# Altium PCB CHAHARDOLI-7 ADAD METAL.PcbDoc (part 1 of 11) (continued)
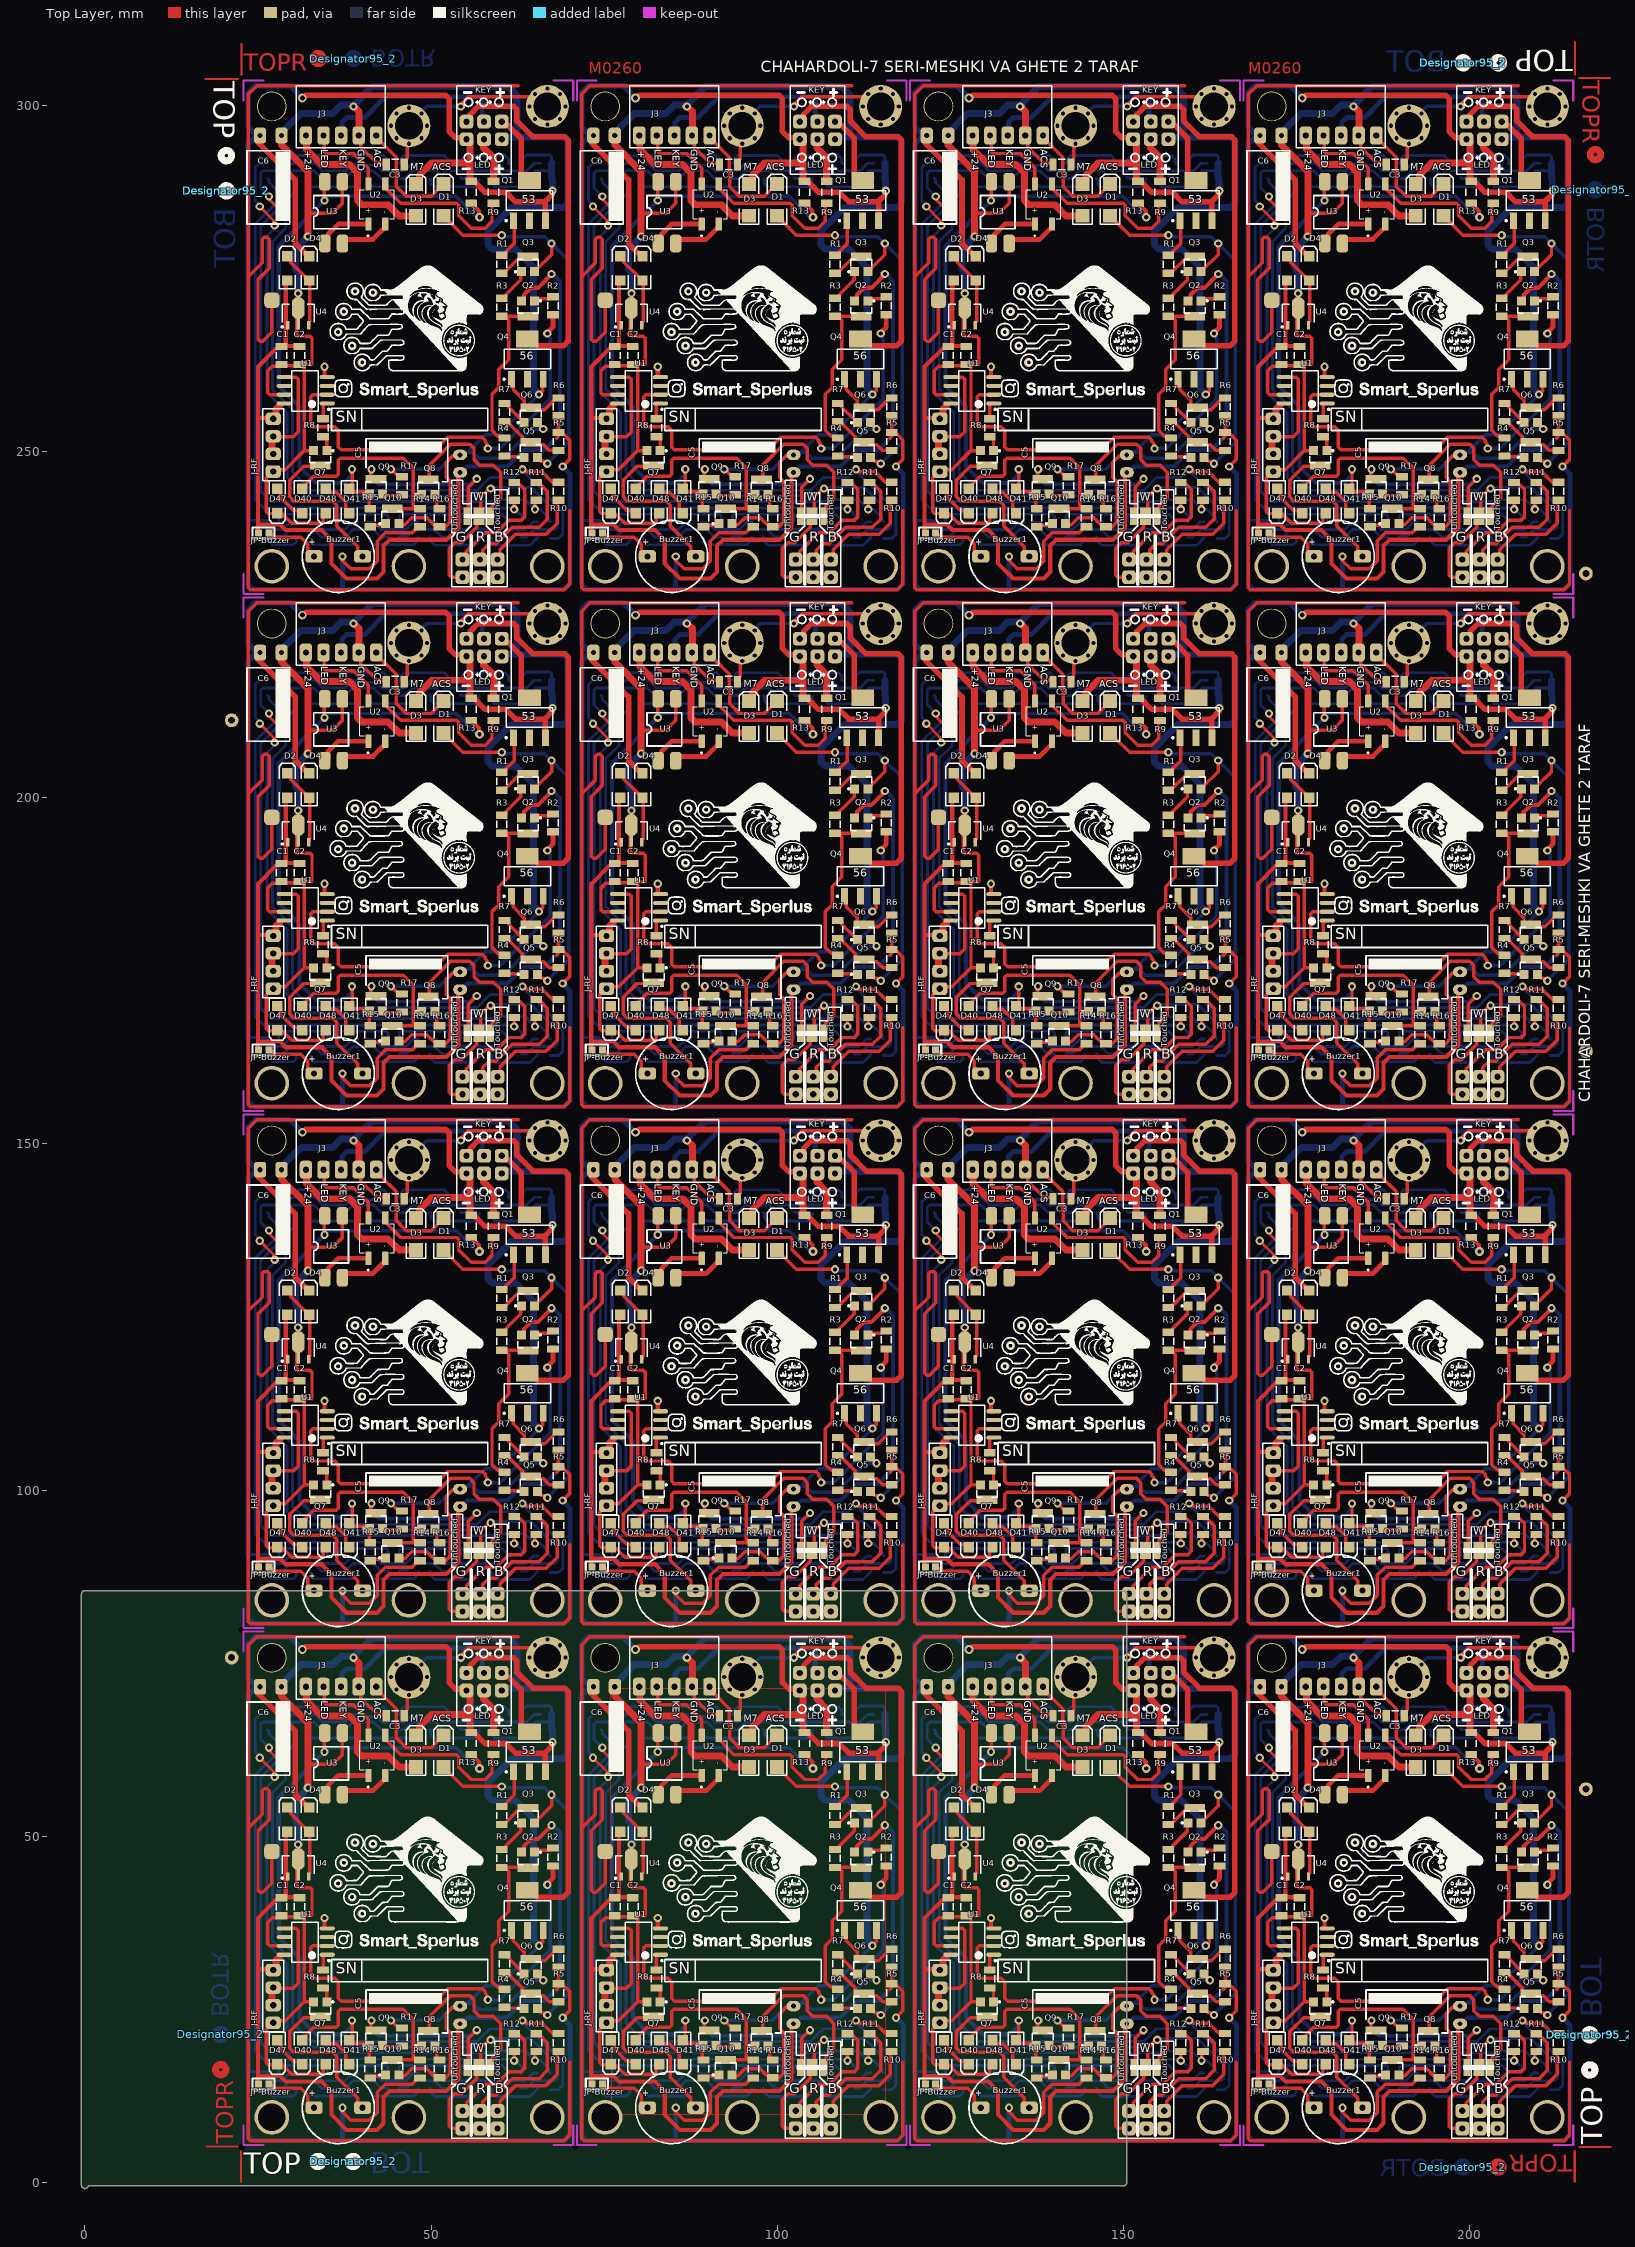
[diagram p0: Top Layer view]
## Components (designator, comment, footprint, x,y, rotation, side; value= is the part's Value field where it differs from the comment) (continued)
B "LED2" "RES 0805 (2012X06L)" 114.545,237.664 r0 bottom (schematic designator 4)
Buzzer1 "Buzzer" BUZZER 84.745,10.8 r0 top
Buzzer1 "Buzzer" BUZZER 36.6,10.8 r0 top
Buzzer1 "Buzzer" BUZZER 132.89,10.8 r0 top
Buzzer1 "Buzzer" BUZZER 181.035,10.8 r0 top
Buzzer1 "Buzzer" BUZZER 181.035,85.488 r0 top
Buzzer1 "Buzzer" BUZZER 132.89,85.488 r0 top
Buzzer1 "Buzzer" BUZZER 36.6,85.488 r0 top
Buzzer1 "Buzzer" BUZZER 84.745,85.488 r0 top
Buzzer1 "Buzzer" BUZZER 181.035,160.176 r0 top
Buzzer1 "Buzzer" BUZZER 132.89,160.176 r0 top
Buzzer1 "Buzzer" BUZZER 36.6,160.176 r0 top
Buzzer1 "Buzzer" BUZZER 84.745,160.176 r0 top
Buzzer1 "Buzzer" BUZZER 181.035,234.864 r0 top
Buzzer1 "Buzzer" BUZZER 132.89,234.864 r0 top
Buzzer1 "Buzzer" BUZZER 36.6,234.864 r0 top
Buzzer1 "Buzzer" BUZZER 84.745,234.864 r0 top
C1 "=Value" "CAP 1206" 76.545,39.8 r90 top
C1 "=Value" "CAP 1206" 28.4,39.8 r90 top
C1 "=Value" "CAP 1206" 124.69,39.8 r90 top
C1 "=Value" "CAP 1206" 172.835,39.8 r90 top
C1 "=Value" "CAP 1206" 172.835,114.488 r90 top
C1 "=Value" "CAP 1206" 124.69,114.488 r90 top
C1 "=Value" "CAP 1206" 28.4,114.488 r90 top
C1 "=Value" "CAP 1206" 76.545,114.488 r90 top
C1 "=Value" "CAP 1206" 172.835,189.176 r90 top
C1 "=Value" "CAP 1206" 124.69,189.176 r90 top
C1 "=Value" "CAP 1206" 28.4,189.176 r90 top
C1 "=Value" "CAP 1206" 76.545,189.176 r90 top
C1 "=Value" "CAP 1206" 172.835,263.864 r90 top
C1 "=Value" "CAP 1206" 124.69,263.864 r90 top
C1 "=Value" "CAP 1206" 28.4,263.864 r90 top
C1 "=Value" "CAP 1206" 76.545,263.864 r90 top
C2 "=Value" "CAP 1206" 79.145,39.8 r90 top
C2 "=Value" "CAP 1206" 31,39.8 r90 top
C2 "=Value" "CAP 1206" 127.29,39.8 r90 top
C2 "=Value" "CAP 1206" 175.435,39.8 r90 top
C2 "=Value" "CAP 1206" 175.435,114.488 r90 top
C2 "=Value" "CAP 1206" 127.29,114.488 r90 top
C2 "=Value" "CAP 1206" 31,114.488 r90 top
C2 "=Value" "CAP 1206" 79.145,114.488 r90 top
C2 "=Value" "CAP 1206" 175.435,189.176 r90 top
C2 "=Value" "CAP 1206" 127.29,189.176 r90 top
C2 "=Value" "CAP 1206" 31,189.176 r90 top
C2 "=Value" "CAP 1206" 79.145,189.176 r90 top
C2 "=Value" "CAP 1206" 175.435,263.864 r90 top
C2 "=Value" "CAP 1206" 127.29,263.864 r90 top
C2 "=Value" "CAP 1206" 31,263.864 r90 top
C2 "=Value" "CAP 1206" 79.145,263.864 r90 top
C3 "=Value" "CAP 1206" 92.945,67.4 r0 top
C3 "=Value" "CAP 1206" 44.8,67.4 r0 top
C3 "=Value" "CAP 1206" 141.09,67.4 r0 top
C3 "=Value" "CAP 1206" 189.235,67.4 r0 top
C3 "=Value" "CAP 1206" 189.235,142.088 r0 top
C3 "=Value" "CAP 1206" 141.09,142.088 r0 top
C3 "=Value" "CAP 1206" 44.8,142.088 r0 top
C3 "=Value" "CAP 1206" 92.945,142.088 r0 top
C3 "=Value" "CAP 1206" 189.235,216.776 r0 top
C3 "=Value" "CAP 1206" 141.09,216.776 r0 top
C3 "=Value" "CAP 1206" 44.8,216.776 r0 top
C3 "=Value" "CAP 1206" 92.945,216.776 r0 top
C3 "=Value" "CAP 1206" 189.235,291.464 r0 top
C3 "=Value" "CAP 1206" 141.09,291.464 r0 top
C3 "=Value" "CAP 1206" 44.8,291.464 r0 top
C3 "=Value" "CAP 1206" 92.945,291.464 r0 top
C5 "=Value" ELEC-CAP-RAD10-20 102.345,24.2 r270 top
C5 "=Value" ELEC-CAP-RAD10-20 54.2,24.2 r270 top
C5 "=Value" ELEC-CAP-RAD10-20 150.49,24.2 r270 top
C5 "=Value" ELEC-CAP-RAD10-20 198.635,24.2 r270 top
C5 "=Value" ELEC-CAP-RAD10-20 198.635,98.888 r270 top
C5 "=Value" ELEC-CAP-RAD10-20 150.49,98.888 r270 top
C5 "=Value" ELEC-CAP-RAD10-20 54.2,98.888 r270 top
C5 "=Value" ELEC-CAP-RAD10-20 102.345,98.888 r270 top
C5 "=Value" ELEC-CAP-RAD10-20 198.635,173.576 r270 top
C5 "=Value" ELEC-CAP-RAD10-20 150.49,173.576 r270 top
C5 "=Value" ELEC-CAP-RAD10-20 54.2,173.576 r270 top
C5 "=Value" ELEC-CAP-RAD10-20 102.345,173.576 r270 top
C5 "=Value" ELEC-CAP-RAD10-20 198.635,248.264 r270 top
C5 "=Value" ELEC-CAP-RAD10-20 150.49,248.264 r270 top
C5 "=Value" ELEC-CAP-RAD10-20 54.2,248.264 r270 top
C5 "=Value" ELEC-CAP-RAD10-20 102.345,248.264 r270 top
C6 "=Value" ELEC-CAP-RAD15-30 74.945,69.6 r180 top
C6 "=Value" ELEC-CAP-RAD15-30 26.8,69.6 r180 top
C6 "=Value" ELEC-CAP-RAD15-30 123.09,69.6 r180 top
C6 "=Value" ELEC-CAP-RAD15-30 171.235,69.6 r180 top
C6 "=Value" ELEC-CAP-RAD15-30 171.235,144.288 r180 top
C6 "=Value" ELEC-CAP-RAD15-30 123.09,144.288 r180 top
C6 "=Value" ELEC-CAP-RAD15-30 26.8,144.288 r180 top
C6 "=Value" ELEC-CAP-RAD15-30 74.945,144.288 r180 top
C6 "=Value" ELEC-CAP-RAD15-30 171.235,218.976 r180 top
C6 "=Value" ELEC-CAP-RAD15-30 123.09,218.976 r180 top
C6 "=Value" ELEC-CAP-RAD15-30 26.8,218.976 r180 top
C6 "=Value" ELEC-CAP-RAD15-30 74.945,218.976 r180 top
C6 "=Value" ELEC-CAP-RAD15-30 171.235,293.664 r180 top
C6 "=Value" ELEC-CAP-RAD15-30 123.09,293.664 r180 top
C6 "=Value" ELEC-CAP-RAD15-30 26.8,293.664 r180 top
C6 "=Value" ELEC-CAP-RAD15-30 74.945,293.664 r180 top
D1 "D Tunnel1" 3.2X1.6X1.1#1 99.945,61.8 r90 top
D1 "D Tunnel1" 3.2X1.6X1.1#1 51.8,61.8 r90 top
D1 "D Tunnel1" 3.2X1.6X1.1#1 148.09,61.8 r90 top
D1 "D Tunnel1" 3.2X1.6X1.1#1 196.235,61.8 r90 top
D1 "D Tunnel1" 3.2X1.6X1.1#1 196.235,136.488 r90 top
D1 "D Tunnel1" 3.2X1.6X1.1#1 148.09,136.488 r90 top
D1 "D Tunnel1" 3.2X1.6X1.1#1 51.8,136.488 r90 top
D1 "D Tunnel1" 3.2X1.6X1.1#1 99.945,136.488 r90 top
D1 "D Tunnel1" 3.2X1.6X1.1#1 196.235,211.176 r90 top
D1 "D Tunnel1" 3.2X1.6X1.1#1 148.09,211.176 r90 top
D1 "D Tunnel1" 3.2X1.6X1.1#1 51.8,211.176 r90 top
D1 "D Tunnel1" 3.2X1.6X1.1#1 99.945,211.176 r90 top
D1 "D Tunnel1" 3.2X1.6X1.1#1 196.235,285.864 r90 top
D1 "D Tunnel1" 3.2X1.6X1.1#1 148.09,285.864 r90 top
D1 "D Tunnel1" 3.2X1.6X1.1#1 51.8,285.864 r90 top
D1 "D Tunnel1" 3.2X1.6X1.1#1 99.945,285.864 r90 top
D2 "D Tunnel1" 3.2X1.6X1.1#2 77.345,52.4 r90 top
D2 "D Tunnel1" 3.2X1.6X1.1#2 29.2,52.4 r90 top
D2 "D Tunnel1" 3.2X1.6X1.1#2 125.49,52.4 r90 top
D2 "D Tunnel1" 3.2X1.6X1.1#2 173.635,52.4 r90 top
D2 "D Tunnel1" 3.2X1.6X1.1#2 173.635,127.088 r90 top
D2 "D Tunnel1" 3.2X1.6X1.1#2 125.49,127.088 r90 top
D2 "D Tunnel1" 3.2X1.6X1.1#2 29.2,127.088 r90 top
D2 "D Tunnel1" 3.2X1.6X1.1#2 77.345,127.088 r90 top
D2 "D Tunnel1" 3.2X1.6X1.1#2 173.635,201.776 r90 top
D2 "D Tunnel1" 3.2X1.6X1.1#2 125.49,201.776 r90 top
D2 "D Tunnel1" 3.2X1.6X1.1#2 29.2,201.776 r90 top
D2 "D Tunnel1" 3.2X1.6X1.1#2 77.345,201.776 r90 top
D2 "D Tunnel1" 3.2X1.6X1.1#2 173.635,276.464 r90 top
D2 "D Tunnel1" 3.2X1.6X1.1#2 125.49,276.464 r90 top
D2 "D Tunnel1" 3.2X1.6X1.1#2 29.2,276.464 r90 top
D2 "D Tunnel1" 3.2X1.6X1.1#2 77.345,276.464 r90 top
D3 "D Tunnel1" 3.2X1.6X1.1#3 95.945,62 r90 top
D3 "D Tunnel1" 3.2X1.6X1.1#3 47.8,62 r90 top
D3 "D Tunnel1" 3.2X1.6X1.1#3 144.09,62 r90 top
D3 "D Tunnel1" 3.2X1.6X1.1#3 192.235,62 r90 top
D3 "D Tunnel1" 3.2X1.6X1.1#3 192.235,136.688 r90 top
D3 "D Tunnel1" 3.2X1.6X1.1#3 144.09,136.688 r90 top
D3 "D Tunnel1" 3.2X1.6X1.1#3 47.8,136.688 r90 top
D3 "D Tunnel1" 3.2X1.6X1.1#3 95.945,136.688 r90 top
D3 "D Tunnel1" 3.2X1.6X1.1#3 192.235,211.376 r90 top
D3 "D Tunnel1" 3.2X1.6X1.1#3 144.09,211.376 r90 top
D3 "D Tunnel1" 3.2X1.6X1.1#3 47.8,211.376 r90 top
D3 "D Tunnel1" 3.2X1.6X1.1#3 95.945,211.376 r90 top
D3 "D Tunnel1" 3.2X1.6X1.1#3 192.235,286.064 r90 top
D3 "D Tunnel1" 3.2X1.6X1.1#3 144.09,286.064 r90 top
D3 "D Tunnel1" 3.2X1.6X1.1#3 47.8,286.064 r90 top
D3 "D Tunnel1" 3.2X1.6X1.1#3 95.945,286.064 r90 top
D4 "D Tunnel1" 3.2X1.6X1.1#2 80.545,52.4 r90 top
D4 "D Tunnel1" 3.2X1.6X1.1#2 32.4,52.4 r90 top
D4 "D Tunnel1" 3.2X1.6X1.1#2 128.69,52.4 r90 top
D4 "D Tunnel1" 3.2X1.6X1.1#2 176.835,52.4 r90 top
D4 "D Tunnel1" 3.2X1.6X1.1#2 176.835,127.088 r90 top
D4 "D Tunnel1" 3.2X1.6X1.1#2 128.69,127.088 r90 top
D4 "D Tunnel1" 3.2X1.6X1.1#2 32.4,127.088 r90 top
D4 "D Tunnel1" 3.2X1.6X1.1#2 80.545,127.088 r90 top
D4 "D Tunnel1" 3.2X1.6X1.1#2 176.835,201.776 r90 top
D4 "D Tunnel1" 3.2X1.6X1.1#2 128.69,201.776 r90 top
D4 "D Tunnel1" 3.2X1.6X1.1#2 32.4,201.776 r90 top
D4 "D Tunnel1" 3.2X1.6X1.1#2 80.545,201.776 r90 top
D4 "D Tunnel1" 3.2X1.6X1.1#2 176.835,276.464 r90 top
D4 "D Tunnel1" 3.2X1.6X1.1#2 128.69,276.464 r90 top
D4 "D Tunnel1" 3.2X1.6X1.1#2 32.4,276.464 r90 top
D4 "D Tunnel1" 3.2X1.6X1.1#2 80.545,276.464 r90 top
D40 "D Tunnel1" 3.2X1.6X1.1#2 79.545,18.8 r270 top
D40 "D Tunnel1" 3.2X1.6X1.1#2 31.4,18.8 r270 top
D40 "D Tunnel1" 3.2X1.6X1.1#2 127.69,18.8 r270 top
D40 "D Tunnel1" 3.2X1.6X1.1#2 175.835,18.8 r270 top
D40 "D Tunnel1" 3.2X1.6X1.1#2 175.835,93.488 r270 top
D40 "D Tunnel1" 3.2X1.6X1.1#2 127.69,93.488 r270 top
D40 "D Tunnel1" 3.2X1.6X1.1#2 31.4,93.488 r270 top
D40 "D Tunnel1" 3.2X1.6X1.1#2 79.545,93.488 r270 top
D40 "D Tunnel1" 3.2X1.6X1.1#2 175.835,168.176 r270 top
D40 "D Tunnel1" 3.2X1.6X1.1#2 127.69,168.176 r270 top
D40 "D Tunnel1" 3.2X1.6X1.1#2 31.4,168.176 r270 top
D40 "D Tunnel1" 3.2X1.6X1.1#2 79.545,168.176 r270 top
D40 "D Tunnel1" 3.2X1.6X1.1#2 175.835,242.864 r270 top
D40 "D Tunnel1" 3.2X1.6X1.1#2 127.69,242.864 r270 top
D40 "D Tunnel1" 3.2X1.6X1.1#2 31.4,242.864 r270 top
D40 "D Tunnel1" 3.2X1.6X1.1#2 79.545,242.864 r270 top
D41 "D Tunnel1" 3.2X1.6X1.1#2 86.345,18.8 r270 top
D41 "D Tunnel1" 3.2X1.6X1.1#2 38.2,18.8 r270 top
D41 "D Tunnel1" 3.2X1.6X1.1#2 134.49,18.8 r270 top
D41 "D Tunnel1" 3.2X1.6X1.1#2 182.635,18.8 r270 top
D41 "D Tunnel1" 3.2X1.6X1.1#2 182.635,93.488 r270 top
D41 "D Tunnel1" 3.2X1.6X1.1#2 134.49,93.488 r270 top
D41 "D Tunnel1" 3.2X1.6X1.1#2 38.2,93.488 r270 top
D41 "D Tunnel1" 3.2X1.6X1.1#2 86.345,93.488 r270 top
D41 "D Tunnel1" 3.2X1.6X1.1#2 182.635,168.176 r270 top
D41 "D Tunnel1" 3.2X1.6X1.1#2 134.49,168.176 r270 top
D41 "D Tunnel1" 3.2X1.6X1.1#2 38.2,168.176 r270 top
D41 "D Tunnel1" 3.2X1.6X1.1#2 86.345,168.176 r270 top
D41 "D Tunnel1" 3.2X1.6X1.1#2 182.635,242.864 r270 top
D41 "D Tunnel1" 3.2X1.6X1.1#2 134.49,242.864 r270 top
D41 "D Tunnel1" 3.2X1.6X1.1#2 38.2,242.864 r270 top
D41 "D Tunnel1" 3.2X1.6X1.1#2 86.345,242.864 r270 top
D47 "D Tunnel1" 3.2X1.6X1.1#2 75.945,18.8 r270 top
D47 "D Tunnel1" 3.2X1.6X1.1#2 27.8,18.8 r270 top
D47 "D Tunnel1" 3.2X1.6X1.1#2 124.09,18.8 r270 top
D47 "D Tunnel1" 3.2X1.6X1.1#2 172.235,18.8 r270 top
D47 "D Tunnel1" 3.2X1.6X1.1#2 172.235,93.488 r270 top
D47 "D Tunnel1" 3.2X1.6X1.1#2 124.09,93.488 r270 top
D47 "D Tunnel1" 3.2X1.6X1.1#2 27.8,93.488 r270 top
D47 "D Tunnel1" 3.2X1.6X1.1#2 75.945,93.488 r270 top
D47 "D Tunnel1" 3.2X1.6X1.1#2 172.235,168.176 r270 top
D47 "D Tunnel1" 3.2X1.6X1.1#2 124.09,168.176 r270 top
D47 "D Tunnel1" 3.2X1.6X1.1#2 27.8,168.176 r270 top
D47 "D Tunnel1" 3.2X1.6X1.1#2 75.945,168.176 r270 top
D47 "D Tunnel1" 3.2X1.6X1.1#2 172.235,242.864 r270 top
D47 "D Tunnel1" 3.2X1.6X1.1#2 124.09,242.864 r270 top
D47 "D Tunnel1" 3.2X1.6X1.1#2 27.8,242.864 r270 top
D47 "D Tunnel1" 3.2X1.6X1.1#2 75.945,242.864 r270 top
D48 "D Tunnel1" 3.2X1.6X1.1#2 82.945,18.8 r270 top
D48 "D Tunnel1" 3.2X1.6X1.1#2 34.8,18.8 r270 top
D48 "D Tunnel1" 3.2X1.6X1.1#2 131.09,18.8 r270 top
D48 "D Tunnel1" 3.2X1.6X1.1#2 179.235,18.8 r270 top
D48 "D Tunnel1" 3.2X1.6X1.1#2 179.235,93.488 r270 top
D48 "D Tunnel1" 3.2X1.6X1.1#2 131.09,93.488 r270 top
D48 "D Tunnel1" 3.2X1.6X1.1#2 34.8,93.488 r270 top
D48 "D Tunnel1" 3.2X1.6X1.1#2 82.945,93.488 r270 top
D48 "D Tunnel1" 3.2X1.6X1.1#2 179.235,168.176 r270 top
D48 "D Tunnel1" 3.2X1.6X1.1#2 131.09,168.176 r270 top
D48 "D Tunnel1" 3.2X1.6X1.1#2 34.8,168.176 r270 top
D48 "D Tunnel1" 3.2X1.6X1.1#2 82.945,168.176 r270 top
D48 "D Tunnel1" 3.2X1.6X1.1#2 179.235,242.864 r270 top
D48 "D Tunnel1" 3.2X1.6X1.1#2 131.09,242.864 r270 top
D48 "D Tunnel1" 3.2X1.6X1.1#2 34.8,242.864 r270 top
D48 "D Tunnel1" 3.2X1.6X1.1#2 82.945,242.864 r270 top
Designator95_2 "Comment" PAD#1 38.778,306.783 r270 top
Designator95_2 "Comment" PAD#2 20.433,287.672 r180 top
Designator95_2 "Comment" PAD#2 20.433,287.672 r180 top
Designator95_2 "Comment" PAD#2 20.433,287.672 r180 top
Designator95_2 "Comment" PAD#2 20.433,287.672 r180 top
Designator95_2 "Comment" PAD#1 20.433,287.672 r180 top
Designator95_2 "Comment" PAD#1 218.183,287.822 r180 top
Designator95_2 "Comment" PAD#2 199.072,306.167 r90 top
Designator95_2 "Comment" PAD#2 199.072,306.167 r90 top
Designator95_2 "Comment" PAD#2 199.072,306.167 r90 top
Designator95_2 "Comment" PAD#2 199.072,306.167 r90 top
Designator95_2 "Comment" PAD#1 199.072,306.167 r90 top
Designator95_2 "Comment" PAD#1 19.617,21.378 r0 top
Designator95_2 "Comment" PAD#2 38.728,3.033 r270 top
Designator95_2 "Comment" PAD#2 38.728,3.033 r270 top
Designator95_2 "Comment" PAD#2 38.728,3.033 r270 top
Designator95_2 "Comment" PAD#2 38.728,3.033 r270 top
Designator95_2 "Comment" PAD#1 38.728,3.033 r270 top
Designator95_2 "Comment" PAD#1 199.022,2.217 r90 top
Designator95_2 "Comment" PAD#2 217.367,21.328 r0 top
Designator95_2 "Comment" PAD#2 217.367,21.328 r0 top
Designator95_2 "Comment" PAD#2 217.367,21.328 r0 top
Designator95_2 "Comment" PAD#2 217.367,21.328 r0 top
Designator95_2 "Comment" PAD#1 217.367,21.328 r0 top
G "LED2" "RES 0805 (2012X06L)" 75.345,65.4 r180 bottom (schematic designator 3)
G "LED2" "RES 0805 (2012X06L)" 83.945,65.4 r180 bottom (schematic designator 3)
G "LED2" "RES 0805 (2012X06L)" 92.745,65.4 r180 bottom (schematic designator 3)
G "LED2" "RES 0805 (2012X06L)" 101.545,65.4 r180 bottom (schematic designator 3)
G "LED2" "RES 0805 (2012X06L)" 110.345,65.4 r180 bottom (schematic designator 3)
G "LED2" "RES 0805 (2012X06L)" 110.345,15.8 r0 bottom (schematic designator 3)
G "LED2" "RES 0805 (2012X06L)" 101.545,15.8 r0 bottom (schematic designator 3)
G "LED2" "RES 0805 (2012X06L)" 92.745,15.8 r0 bottom (schematic designator 3)
G "LED2" "RES 0805 (2012X06L)" 83.945,15.8 r0 bottom (schematic designator 3)
G "LED2" "RES 0805 (2012X06L)" 75.145,15.8 r0 bottom (schematic designator 3)
G "LED2" "RES 0805 (2012X06L)" 27,15.8 r0 bottom (schematic designator 3)
G "LED2" "RES 0805 (2012X06L)" 35.8,15.8 r0 bottom (schematic designator 3)
G "LED2" "RES 0805 (2012X06L)" 44.6,15.8 r0 bottom (schematic designator 3)
G "LED2" "RES 0805 (2012X06L)" 53.4,15.8 r0 bottom (schematic designator 3)
G "LED2" "RES 0805 (2012X06L)" 62.2,15.8 r0 bottom (schematic designator 3)
G "LED2" "RES 0805 (2012X06L)" 62.2,65.4 r180 bottom (schematic designator 3)
G "LED2" "RES 0805 (2012X06L)" 53.4,65.4 r180 bottom (schematic designator 3)
G "LED2" "RES 0805 (2012X06L)" 44.6,65.4 r180 bottom (schematic designator 3)
G "LED2" "RES 0805 (2012X06L)" 35.8,65.4 r180 bottom (schematic designator 3)
G "LED2" "RES 0805 (2012X06L)" 27.2,65.4 r180 bottom (schematic designator 3)
G "LED2" "RES 0805 (2012X06L)" 123.49,65.4 r180 bottom (schematic designator 3)
G "LED2" "RES 0805 (2012X06L)" 132.09,65.4 r180 bottom (schematic designator 3)
G "LED2" "RES 0805 (2012X06L)" 140.89,65.4 r180 bottom (schematic designator 3)
G "LED2" "RES 0805 (2012X06L)" 149.69,65.4 r180 bottom (schematic designator 3)
G "LED2" "RES 0805 (2012X06L)" 158.49,65.4 r180 bottom (schematic designator 3)
G "LED2" "RES 0805 (2012X06L)" 158.49,15.8 r0 bottom (schematic designator 3)
G "LED2" "RES 0805 (2012X06L)" 149.69,15.8 r0 bottom (schematic designator 3)
G "LED2" "RES 0805 (2012X06L)" 140.89,15.8 r0 bottom (schematic designator 3)
G "LED2" "RES 0805 (2012X06L)" 132.09,15.8 r0 bottom (schematic designator 3)
G "LED2" "RES 0805 (2012X06L)" 123.29,15.8 r0 bottom (schematic designator 3)
G "LED2" "RES 0805 (2012X06L)" 171.435,15.8 r0 bottom (schematic designator 3)
G "LED2" "RES 0805 (2012X06L)" 180.235,15.8 r0 bottom (schematic designator 3)
G "LED2" "RES 0805 (2012X06L)" 189.035,15.8 r0 bottom (schematic designator 3)
G "LED2" "RES 0805 (2012X06L)" 197.835,15.8 r0 bottom (schematic designator 3)
G "LED2" "RES 0805 (2012X06L)" 206.635,15.8 r0 bottom (schematic designator 3)
G "LED2" "RES 0805 (2012X06L)" 206.635,65.4 r180 bottom (schematic designator 3)
G "LED2" "RES 0805 (2012X06L)" 197.835,65.4 r180 bottom (schematic designator 3)
G "LED2" "RES 0805 (2012X06L)" 189.035,65.4 r180 bottom (schematic designator 3)
G "LED2" "RES 0805 (2012X06L)" 180.235,65.4 r180 bottom (schematic designator 3)
G "LED2" "RES 0805 (2012X06L)" 171.635,65.4 r180 bottom (schematic designator 3)
G "LED2" "RES 0805 (2012X06L)" 171.635,140.088 r180 bottom (schematic designator 3)
G "LED2" "RES 0805 (2012X06L)" 180.235,140.088 r180 bottom (schematic designator 3)
G "LED2" "RES 0805 (2012X06L)" 189.035,140.088 r180 bottom (schematic designator 3)
G "LED2" "RES 0805 (2012X06L)" 197.835,140.088 r180 bottom (schematic designator 3)
G "LED2" "RES 0805 (2012X06L)" 206.635,140.088 r180 bottom (schematic designator 3)
G "LED2" "RES 0805 (2012X06L)" 206.635,90.488 r0 bottom (schematic designator 3)
G "LED2" "RES 0805 (2012X06L)" 197.835,90.488 r0 bottom (schematic designator 3)
G "LED2" "RES 0805 (2012X06L)" 189.035,90.488 r0 bottom (schematic designator 3)
G "LED2" "RES 0805 (2012X06L)" 180.235,90.488 r0 bottom (schematic designator 3)
G "LED2" "RES 0805 (2012X06L)" 171.435,90.488 r0 bottom (schematic designator 3)
G "LED2" "RES 0805 (2012X06L)" 123.29,90.488 r0 bottom (schematic designator 3)
G "LED2" "RES 0805 (2012X06L)" 132.09,90.488 r0 bottom (schematic designator 3)
G "LED2" "RES 0805 (2012X06L)" 140.89,90.488 r0 bottom (schematic designator 3)
G "LED2" "RES 0805 (2012X06L)" 149.69,90.488 r0 bottom (schematic designator 3)
G "LED2" "RES 0805 (2012X06L)" 158.49,90.488 r0 bottom (schematic designator 3)
G "LED2" "RES 0805 (2012X06L)" 158.49,140.088 r180 bottom (schematic designator 3)
G "LED2" "RES 0805 (2012X06L)" 149.69,140.088 r180 bottom (schematic designator 3)
G "LED2" "RES 0805 (2012X06L)" 140.89,140.088 r180 bottom (schematic designator 3)
G "LED2" "RES 0805 (2012X06L)" 132.09,140.088 r180 bottom (schematic designator 3)
G "LED2" "RES 0805 (2012X06L)" 123.49,140.088 r180 bottom (schematic designator 3)
G "LED2" "RES 0805 (2012X06L)" 27.2,140.088 r180 bottom (schematic designator 3)
G "LED2" "RES 0805 (2012X06L)" 35.8,140.088 r180 bottom (schematic designator 3)
G "LED2" "RES 0805 (2012X06L)" 44.6,140.088 r180 bottom (schematic designator 3)
G "LED2" "RES 0805 (2012X06L)" 53.4,140.088 r180 bottom (schematic designator 3)
G "LED2" "RES 0805 (2012X06L)" 62.2,140.088 r180 bottom (schematic designator 3)
G "LED2" "RES 0805 (2012X06L)" 62.2,90.488 r0 bottom (schematic designator 3)
G "LED2" "RES 0805 (2012X06L)" 53.4,90.488 r0 bottom (schematic designator 3)
G "LED2" "RES 0805 (2012X06L)" 44.6,90.488 r0 bottom (schematic designator 3)
G "LED2" "RES 0805 (2012X06L)" 35.8,90.488 r0 bottom (schematic designator 3)
G "LED2" "RES 0805 (2012X06L)" 27,90.488 r0 bottom (schematic designator 3)
G "LED2" "RES 0805 (2012X06L)" 75.145,90.488 r0 bottom (schematic designator 3)
G "LED2" "RES 0805 (2012X06L)" 83.945,90.488 r0 bottom (schematic designator 3)
G "LED2" "RES 0805 (2012X06L)" 92.745,90.488 r0 bottom (schematic designator 3)
G "LED2" "RES 0805 (2012X06L)" 101.545,90.488 r0 bottom (schematic designator 3)
G "LED2" "RES 0805 (2012X06L)" 110.345,90.488 r0 bottom (schematic designator 3)
G "LED2" "RES 0805 (2012X06L)" 110.345,140.088 r180 bottom (schematic designator 3)
G "LED2" "RES 0805 (2012X06L)" 101.545,140.088 r180 bottom (schematic designator 3)
G "LED2" "RES 0805 (2012X06L)" 92.745,140.088 r180 bottom (schematic designator 3)
G "LED2" "RES 0805 (2012X06L)" 83.945,140.088 r180 bottom (schematic designator 3)
G "LED2" "RES 0805 (2012X06L)" 75.345,140.088 r180 bottom (schematic designator 3)
G "LED2" "RES 0805 (2012X06L)" 171.635,214.776 r180 bottom (schematic designator 3)
G "LED2" "RES 0805 (2012X06L)" 180.235,214.776 r180 bottom (schematic designator 3)
G "LED2" "RES 0805 (2012X06L)" 189.035,214.776 r180 bottom (schematic designator 3)
G "LED2" "RES 0805 (2012X06L)" 197.835,214.776 r180 bottom (schematic designator 3)
G "LED2" "RES 0805 (2012X06L)" 206.635,214.776 r180 bottom (schematic designator 3)
G "LED2" "RES 0805 (2012X06L)" 206.635,165.176 r0 bottom (schematic designator 3)
G "LED2" "RES 0805 (2012X06L)" 197.835,165.176 r0 bottom (schematic designator 3)
G "LED2" "RES 0805 (2012X06L)" 189.035,165.176 r0 bottom (schematic designator 3)
G "LED2" "RES 0805 (2012X06L)" 180.235,165.176 r0 bottom (schematic designator 3)
G "LED2" "RES 0805 (2012X06L)" 171.435,165.176 r0 bottom (schematic designator 3)
G "LED2" "RES 0805 (2012X06L)" 123.29,165.176 r0 bottom (schematic designator 3)
G "LED2" "RES 0805 (2012X06L)" 132.09,165.176 r0 bottom (schematic designator 3)
G "LED2" "RES 0805 (2012X06L)" 140.89,165.176 r0 bottom (schematic designator 3)
G "LED2" "RES 0805 (2012X06L)" 149.69,165.176 r0 bottom (schematic designator 3)
G "LED2" "RES 0805 (2012X06L)" 158.49,165.176 r0 bottom (schematic designator 3)
G "LED2" "RES 0805 (2012X06L)" 158.49,214.776 r180 bottom (schematic designator 3)
G "LED2" "RES 0805 (2012X06L)" 149.69,214.776 r180 bottom (schematic designator 3)
G "LED2" "RES 0805 (2012X06L)" 140.89,214.776 r180 bottom (schematic designator 3)
G "LED2" "RES 0805 (2012X06L)" 132.09,214.776 r180 bottom (schematic designator 3)
G "LED2" "RES 0805 (2012X06L)" 123.49,214.776 r180 bottom (schematic designator 3)
G "LED2" "RES 0805 (2012X06L)" 27.2,214.776 r180 bottom (schematic designator 3)
G "LED2" "RES 0805 (2012X06L)" 35.8,214.776 r180 bottom (schematic designator 3)
G "LED2" "RES 0805 (2012X06L)" 44.6,214.776 r180 bottom (schematic designator 3)
G "LED2" "RES 0805 (2012X06L)" 53.4,214.776 r180 bottom (schematic designator 3)
G "LED2" "RES 0805 (2012X06L)" 62.2,214.776 r180 bottom (schematic designator 3)
G "LED2" "RES 0805 (2012X06L)" 62.2,165.176 r0 bottom (schematic designator 3)
G "LED2" "RES 0805 (2012X06L)" 53.4,165.176 r0 bottom (schematic designator 3)
G "LED2" "RES 0805 (2012X06L)" 44.6,165.176 r0 bottom (schematic designator 3)
G "LED2" "RES 0805 (2012X06L)" 35.8,165.176 r0 bottom (schematic designator 3)
G "LED2" "RES 0805 (2012X06L)" 27,165.176 r0 bottom (schematic designator 3)
G "LED2" "RES 0805 (2012X06L)" 75.145,165.176 r0 bottom (schematic designator 3)
G "LED2" "RES 0805 (2012X06L)" 83.945,165.176 r0 bottom (schematic designator 3)
G "LED2" "RES 0805 (2012X06L)" 92.745,165.176 r0 bottom (schematic designator 3)
G "LED2" "RES 0805 (2012X06L)" 101.545,165.176 r0 bottom (schematic designator 3)
G "LED2" "RES 0805 (2012X06L)" 110.345,165.176 r0 bottom (schematic designator 3)
G "LED2" "RES 0805 (2012X06L)" 110.345,214.776 r180 bottom (schematic designator 3)
G "LED2" "RES 0805 (2012X06L)" 101.545,214.776 r180 bottom (schematic designator 3)
G "LED2" "RES 0805 (2012X06L)" 92.745,214.776 r180 bottom (schematic designator 3)
G "LED2" "RES 0805 (2012X06L)" 83.945,214.776 r180 bottom (schematic designator 3)
G "LED2" "RES 0805 (2012X06L)" 75.345,214.776 r180 bottom (schematic designator 3)
G "LED2" "RES 0805 (2012X06L)" 171.635,289.464 r180 bottom (schematic designator 3)
G "LED2" "RES 0805 (2012X06L)" 180.235,289.464 r180 bottom (schematic designator 3)
G "LED2" "RES 0805 (2012X06L)" 189.035,289.464 r180 bottom (schematic designator 3)
G "LED2" "RES 0805 (2012X06L)" 197.835,289.464 r180 bottom (schematic designator 3)
G "LED2" "RES 0805 (2012X06L)" 206.635,289.464 r180 bottom (schematic designator 3)
G "LED2" "RES 0805 (2012X06L)" 206.635,239.864 r0 bottom (schematic designator 3)
G "LED2" "RES 0805 (2012X06L)" 197.835,239.864 r0 bottom (schematic designator 3)
G "LED2" "RES 0805 (2012X06L)" 189.035,239.864 r0 bottom (schematic designator 3)
G "LED2" "RES 0805 (2012X06L)" 180.235,239.864 r0 bottom (schematic designator 3)
G "LED2" "RES 0805 (2012X06L)" 171.435,239.864 r0 bottom (schematic designator 3)
G "LED2" "RES 0805 (2012X06L)" 123.29,239.864 r0 bottom (schematic designator 3)
G "LED2" "RES 0805 (2012X06L)" 132.09,239.864 r0 bottom (schematic designator 3)
G "LED2" "RES 0805 (2012X06L)" 140.89,239.864 r0 bottom (schematic designator 3)
G "LED2" "RES 0805 (2012X06L)" 149.69,239.864 r0 bottom (schematic designator 3)
G "LED2" "RES 0805 (2012X06L)" 158.49,239.864 r0 bottom (schematic designator 3)
G "LED2" "RES 0805 (2012X06L)" 158.49,289.464 r180 bottom (schematic designator 3)
G "LED2" "RES 0805 (2012X06L)" 149.69,289.464 r180 bottom (schematic designator 3)
G "LED2" "RES 0805 (2012X06L)" 140.89,289.464 r180 bottom (schematic designator 3)
G "LED2" "RES 0805 (2012X06L)" 132.09,289.464 r180 bottom (schematic designator 3)
G "LED2" "RES 0805 (2012X06L)" 123.49,289.464 r180 bottom (schematic designator 3)
G "LED2" "RES 0805 (2012X06L)" 27.2,289.464 r180 bottom (schematic designator 3)
G "LED2" "RES 0805 (2012X06L)" 35.8,289.464 r180 bottom (schematic designator 3)
G "LED2" "RES 0805 (2012X06L)" 44.6,289.464 r180 bottom (schematic designator 3)
G "LED2" "RES 0805 (2012X06L)" 53.4,289.464 r180 bottom (schematic designator 3)
G "LED2" "RES 0805 (2012X06L)" 62.2,289.464 r180 bottom (schematic designator 3)
G "LED2" "RES 0805 (2012X06L)" 62.2,239.864 r0 bottom (schematic designator 3)
G "LED2" "RES 0805 (2012X06L)" 53.4,239.864 r0 bottom (schematic designator 3)
G "LED2" "RES 0805 (2012X06L)" 44.6,239.864 r0 bottom (schematic designator 3)
G "LED2" "RES 0805 (2012X06L)" 35.8,239.864 r0 bottom (schematic designator 3)
G "LED2" "RES 0805 (2012X06L)" 27,239.864 r0 bottom (schematic designator 3)
G "LED2" "RES 0805 (2012X06L)" 75.145,239.864 r0 bottom (schematic designator 3)
G "LED2" "RES 0805 (2012X06L)" 83.945,239.864 r0 bottom (schematic designator 3)
G "LED2" "RES 0805 (2012X06L)" 92.745,239.864 r0 bottom (schematic designator 3)
G "LED2" "RES 0805 (2012X06L)" 101.545,239.864 r0 bottom (schematic designator 3)
G "LED2" "RES 0805 (2012X06L)" 110.345,239.864 r0 bottom (schematic designator 3)
G "LED2" "RES 0805 (2012X06L)" 110.345,289.464 r180 bottom (schematic designator 3)
G "LED2" "RES 0805 (2012X06L)" 101.545,289.464 r180 bottom (schematic designator 3)
G "LED2" "RES 0805 (2012X06L)" 92.745,289.464 r180 bottom (schematic designator 3)
G "LED2" "RES 0805 (2012X06L)" 83.945,289.464 r180 bottom (schematic designator 3)
G "LED2" "RES 0805 (2012X06L)" 75.345,289.464 r180 bottom (schematic designator 3)
J1 "Header3X2" "HEADER 3X2" 103.265,73.6 r0 top
J1 "Header3X2" "HEADER 3X2" 55.12,73.6 r0 top
J1 "Header3X2" "HEADER 3X2" 151.41,73.6 r0 top
J1 "Header3X2" "HEADER 3X2" 199.555,73.6 r0 top
J1 "Header3X2" "HEADER 3X2" 199.555,148.288 r0 top
J1 "Header3X2" "HEADER 3X2" 151.41,148.288 r0 top
J1 "Header3X2" "HEADER 3X2" 55.12,148.288 r0 top
J1 "Header3X2" "HEADER 3X2" 103.265,148.288 r0 top
J1 "Header3X2" "HEADER 3X2" 199.555,222.976 r0 top
J1 "Header3X2" "HEADER 3X2" 151.41,222.976 r0 top
J1 "Header3X2" "HEADER 3X2" 55.12,222.976 r0 top
J1 "Header3X2" "HEADER 3X2" 103.265,222.976 r0 top
J1 "Header3X2" "HEADER 3X2" 199.555,297.664 r0 top
J1 "Header3X2" "HEADER 3X2" 151.41,297.664 r0 top
J1 "Header3X2" "HEADER 3X2" 55.12,297.664 r0 top
J1 "Header3X2" "HEADER 3X2" 103.265,297.664 r0 top
J3 "Header5X1" "HEADER 5X1" 80.065,71.6 r0 top
J3 "Header5X1" "HEADER 5X1" 31.92,71.6 r0 top
J3 "Header5X1" "HEADER 5X1" 128.21,71.6 r0 top
J3 "Header5X1" "HEADER 5X1" 176.355,71.6 r0 top
J3 "Header5X1" "HEADER 5X1" 176.355,146.288 r0 top
J3 "Header5X1" "HEADER 5X1" 128.21,146.288 r0 top
J3 "Header5X1" "HEADER 5X1" 31.92,146.288 r0 top
J3 "Header5X1" "HEADER 5X1" 80.065,146.288 r0 top
J3 "Header5X1" "HEADER 5X1" 176.355,220.976 r0 top
J3 "Header5X1" "HEADER 5X1" 128.21,220.976 r0 top
J3 "Header5X1" "HEADER 5X1" 31.92,220.976 r0 top
J3 "Header5X1" "HEADER 5X1" 80.065,220.976 r0 top
J3 "Header5X1" "HEADER 5X1" 176.355,295.664 r0 top
J3 "Header5X1" "HEADER 5X1" 128.21,295.664 r0 top
J3 "Header5X1" "HEADER 5X1" 31.92,295.664 r0 top
J3 "Header5X1" "HEADER 5X1" 80.065,295.664 r0 top
J4 "Header3X2" "HEADER 3X2" 107.745,7.8 r180 top
J4 "Header3X2" "HEADER 3X2" 59.6,7.8 r180 top
J4 "Header3X2" "HEADER 3X2" 155.89,7.8 r180 top
J4 "Header3X2" "HEADER 3X2" 204.035,7.8 r180 top
J4 "Header3X2" "HEADER 3X2" 204.035,82.488 r180 top
J4 "Header3X2" "HEADER 3X2" 155.89,82.488 r180 top
J4 "Header3X2" "HEADER 3X2" 59.6,82.488 r180 top
J4 "Header3X2" "HEADER 3X2" 107.745,82.488 r180 top
J4 "Header3X2" "HEADER 3X2" 204.035,157.176 r180 top
J4 "Header3X2" "HEADER 3X2" 155.89,157.176 r180 top
J4 "Header3X2" "HEADER 3X2" 59.6,157.176 r180 top
J4 "Header3X2" "HEADER 3X2" 107.745,157.176 r180 top
J4 "Header3X2" "HEADER 3X2" 204.035,231.864 r180 top
J4 "Header3X2" "HEADER 3X2" 155.89,231.864 r180 top
J4 "Header3X2" "HEADER 3X2" 59.6,231.864 r180 top
J4 "Header3X2" "HEADER 3X2" 107.745,231.864 r180 top
J-RF "Header4X1" "HEADER 4X1" 75.345,30.68 r270 top (schematic designator J2)
J-RF "Header4X1" "HEADER 4X1" 27.2,30.68 r270 top (schematic designator J2)
J-RF "Header4X1" "HEADER 4X1" 123.49,30.68 r270 top (schematic designator J2)
J-RF "Header4X1" "HEADER 4X1" 171.635,30.68 r270 top (schematic designator J2)
J-RF "Header4X1" "HEADER 4X1" 171.635,105.368 r270 top (schematic designator J2)
J-RF "Header4X1" "HEADER 4X1" 123.49,105.368 r270 top (schematic designator J2)
J-RF "Header4X1" "HEADER 4X1" 27.2,105.368 r270 top (schematic designator J2)
J-RF "Header4X1" "HEADER 4X1" 75.345,105.368 r270 top (schematic designator J2)
J-RF "Header4X1" "HEADER 4X1" 171.635,180.056 r270 top (schematic designator J2)
J-RF "Header4X1" "HEADER 4X1" 123.49,180.056 r270 top (schematic designator J2)
J-RF "Header4X1" "HEADER 4X1" 27.2,180.056 r270 top (schematic designator J2)
J-RF "Header4X1" "HEADER 4X1" 75.345,180.056 r270 top (schematic designator J2)
J-RF "Header4X1" "HEADER 4X1" 171.635,254.744 r270 top (schematic designator J2)
J-RF "Header4X1" "HEADER 4X1" 123.49,254.744 r270 top (schematic designator J2)
J-RF "Header4X1" "HEADER 4X1" 27.2,254.744 r270 top (schematic designator J2)
J-RF "Header4X1" "HEADER 4X1" 75.345,254.744 r270 top (schematic designator J2)
JP2 "Jumper Selector" "Jumper Selector"#1 107.525,15.8 r180 top
JP2 "Jumper Selector" "Jumper Selector"#1 59.38,15.8 r180 top
JP2 "Jumper Selector" "Jumper Selector"#1 155.67,15.8 r180 top
JP2 "Jumper Selector" "Jumper Selector"#1 203.815,15.8 r180 top
JP2 "Jumper Selector" "Jumper Selector"#1 203.815,90.488 r180 top
JP2 "Jumper Selector" "Jumper Selector"#1 155.67,90.488 r180 top
JP2 "Jumper Selector" "Jumper Selector"#1 59.38,90.488 r180 top
JP2 "Jumper Selector" "Jumper Selector"#1 107.525,90.488 r180 top
JP2 "Jumper Selector" "Jumper Selector"#1 203.815,165.176 r180 top
JP2 "Jumper Selector" "Jumper Selector"#1 155.67,165.176 r180 top
JP2 "Jumper Selector" "Jumper Selector"#1 59.38,165.176 r180 top
JP2 "Jumper Selector" "Jumper Selector"#1 107.525,165.176 r180 top
JP2 "Jumper Selector" "Jumper Selector"#1 203.815,239.864 r180 top
JP2 "Jumper Selector" "Jumper Selector"#1 155.67,239.864 r180 top
JP2 "Jumper Selector" "Jumper Selector"#1 59.38,239.864 r180 top
JP2 "Jumper Selector" "Jumper Selector"#1 107.525,239.864 r180 top
JP3 "Jumper Selector" "Jumper Selector"#2 107.585,17.4 r180 top
JP3 "Jumper Selector" "Jumper Selector"#2 59.44,17.4 r180 top
JP3 "Jumper Selector" "Jumper Selector"#2 155.73,17.4 r180 top
JP3 "Jumper Selector" "Jumper Selector"#2 203.875,17.4 r180 top
JP3 "Jumper Selector" "Jumper Selector"#2 203.875,92.088 r180 top
JP3 "Jumper Selector" "Jumper Selector"#2 155.73,92.088 r180 top
JP3 "Jumper Selector" "Jumper Selector"#2 59.44,92.088 r180 top
JP3 "Jumper Selector" "Jumper Selector"#2 107.585,92.088 r180 top
JP3 "Jumper Selector" "Jumper Selector"#2 203.875,166.776 r180 top
JP3 "Jumper Selector" "Jumper Selector"#2 155.73,166.776 r180 top
JP3 "Jumper Selector" "Jumper Selector"#2 59.44,166.776 r180 top
JP3 "Jumper Selector" "Jumper Selector"#2 107.585,166.776 r180 top
JP3 "Jumper Selector" "Jumper Selector"#2 203.875,241.464 r180 top
JP3 "Jumper Selector" "Jumper Selector"#2 155.73,241.464 r180 top
JP3 "Jumper Selector" "Jumper Selector"#2 59.44,241.464 r180 top
JP3 "Jumper Selector" "Jumper Selector"#2 107.585,241.464 r180 top
JP-Buzzer "Jumper" "Header 2X1" 73.945,14.2 r180 top (schematic designator JP1)
JP-Buzzer "Jumper" "Header 2X1" 25.8,14.2 r180 top (schematic designator JP1)
JP-Buzzer "Jumper" "Header 2X1" 122.09,14.2 r180 top (schematic designator JP1)
JP-Buzzer "Jumper" "Header 2X1" 170.235,14.2 r180 top (schematic designator JP1)
JP-Buzzer "Jumper" "Header 2X1" 170.235,88.888 r180 top (schematic designator JP1)
JP-Buzzer "Jumper" "Header 2X1" 122.09,88.888 r180 top (schematic designator JP1)
JP-Buzzer "Jumper" "Header 2X1" 25.8,88.888 r180 top (schematic designator JP1)
JP-Buzzer "Jumper" "Header 2X1" 73.945,88.888 r180 top (schematic designator JP1)
JP-Buzzer "Jumper" "Header 2X1" 170.235,163.576 r180 top (schematic designator JP1)
JP-Buzzer "Jumper" "Header 2X1" 122.09,163.576 r180 top (schematic designator JP1)
JP-Buzzer "Jumper" "Header 2X1" 25.8,163.576 r180 top (schematic designator JP1)
JP-Buzzer "Jumper" "Header 2X1" 73.945,163.576 r180 top (schematic designator JP1)
JP-Buzzer "Jumper" "Header 2X1" 170.235,238.264 r180 top (schematic designator JP1)
JP-Buzzer "Jumper" "Header 2X1" 122.09,238.264 r180 top (schematic designator JP1)
JP-Buzzer "Jumper" "Header 2X1" 25.8,238.264 r180 top (schematic designator JP1)
JP-Buzzer "Jumper" "Header 2X1" 73.945,238.264 r180 top (schematic designator JP1)
Q1 "MOSFET-P4" SOT223_N 112.345,62.2 r90 top
Q1 "MOSFET-P4" SOT223_N 64.2,62.2 r90 top
Q1 "MOSFET-P4" SOT223_N 160.49,62.2 r90 top
Q1 "MOSFET-P4" SOT223_N 208.635,62.2 r90 top
Q1 "MOSFET-P4" SOT223_N 208.635,136.888 r90 top
Q1 "MOSFET-P4" SOT223_N 160.49,136.888 r90 top
Q1 "MOSFET-P4" SOT223_N 64.2,136.888 r90 top
Q1 "MOSFET-P4" SOT223_N 112.345,136.888 r90 top
Q1 "MOSFET-P4" SOT223_N 208.635,211.576 r90 top
Q1 "MOSFET-P4" SOT223_N 160.49,211.576 r90 top
Q1 "MOSFET-P4" SOT223_N 64.2,211.576 r90 top
Q1 "MOSFET-P4" SOT223_N 112.345,211.576 r90 top
Q1 "MOSFET-P4" SOT223_N 208.635,286.264 r90 top
Q1 "MOSFET-P4" SOT223_N 160.49,286.264 r90 top
Q1 "MOSFET-P4" SOT223_N 64.2,286.264 r90 top
Q1 "MOSFET-P4" SOT223_N 112.345,286.264 r90 top
Q2 "PNP" SOT-23B_N 112.145,46.6 r270 top
Q2 "PNP" SOT-23B_N 64,46.6 r270 top
Q2 "PNP" SOT-23B_N 160.29,46.6 r270 top
Q2 "PNP" SOT-23B_N 208.435,46.6 r270 top
Q2 "PNP" SOT-23B_N 208.435,121.288 r270 top
Q2 "PNP" SOT-23B_N 160.29,121.288 r270 top
Q2 "PNP" SOT-23B_N 64,121.288 r270 top
Q2 "PNP" SOT-23B_N 112.145,121.288 r270 top
Q2 "PNP" SOT-23B_N 208.435,195.976 r270 top
Q2 "PNP" SOT-23B_N 160.29,195.976 r270 top
Q2 "PNP" SOT-23B_N 64,195.976 r270 top
Q2 "PNP" SOT-23B_N 112.145,195.976 r270 top
Q2 "PNP" SOT-23B_N 208.435,270.664 r270 top
Q2 "PNP" SOT-23B_N 160.29,270.664 r270 top
Q2 "PNP" SOT-23B_N 64,270.664 r270 top
Q2 "PNP" SOT-23B_N 112.145,270.664 r270 top
Q3 "QNPN" SOT-23B_L 112.145,53 r90 top
Q3 "QNPN" SOT-23B_L 64,53 r90 top
Q3 "QNPN" SOT-23B_L 160.29,53 r90 top
Q3 "QNPN" SOT-23B_L 208.435,53 r90 top
Q3 "QNPN" SOT-23B_L 208.435,127.688 r90 top
Q3 "QNPN" SOT-23B_L 160.29,127.688 r90 top
Q3 "QNPN" SOT-23B_L 64,127.688 r90 top
Q3 "QNPN" SOT-23B_L 112.145,127.688 r90 top
Q3 "QNPN" SOT-23B_L 208.435,202.376 r90 top
Q3 "QNPN" SOT-23B_L 160.29,202.376 r90 top
Q3 "QNPN" SOT-23B_L 64,202.376 r90 top
Q3 "QNPN" SOT-23B_L 112.145,202.376 r90 top